# Altium PCB BaseBoard.PcbDoc (part 2 of 3)
Units mil, origin at the board's own origin, x right, y up, seen from the top; angles counter-clockwise.
Board outline 12520.21 x 6221 mil, 4 copper layers (Top Layer, GND, Power, Bottom Layer), stack 30.634 mil thick; 237 components, 165 nets, 882 pads, 366 vias.
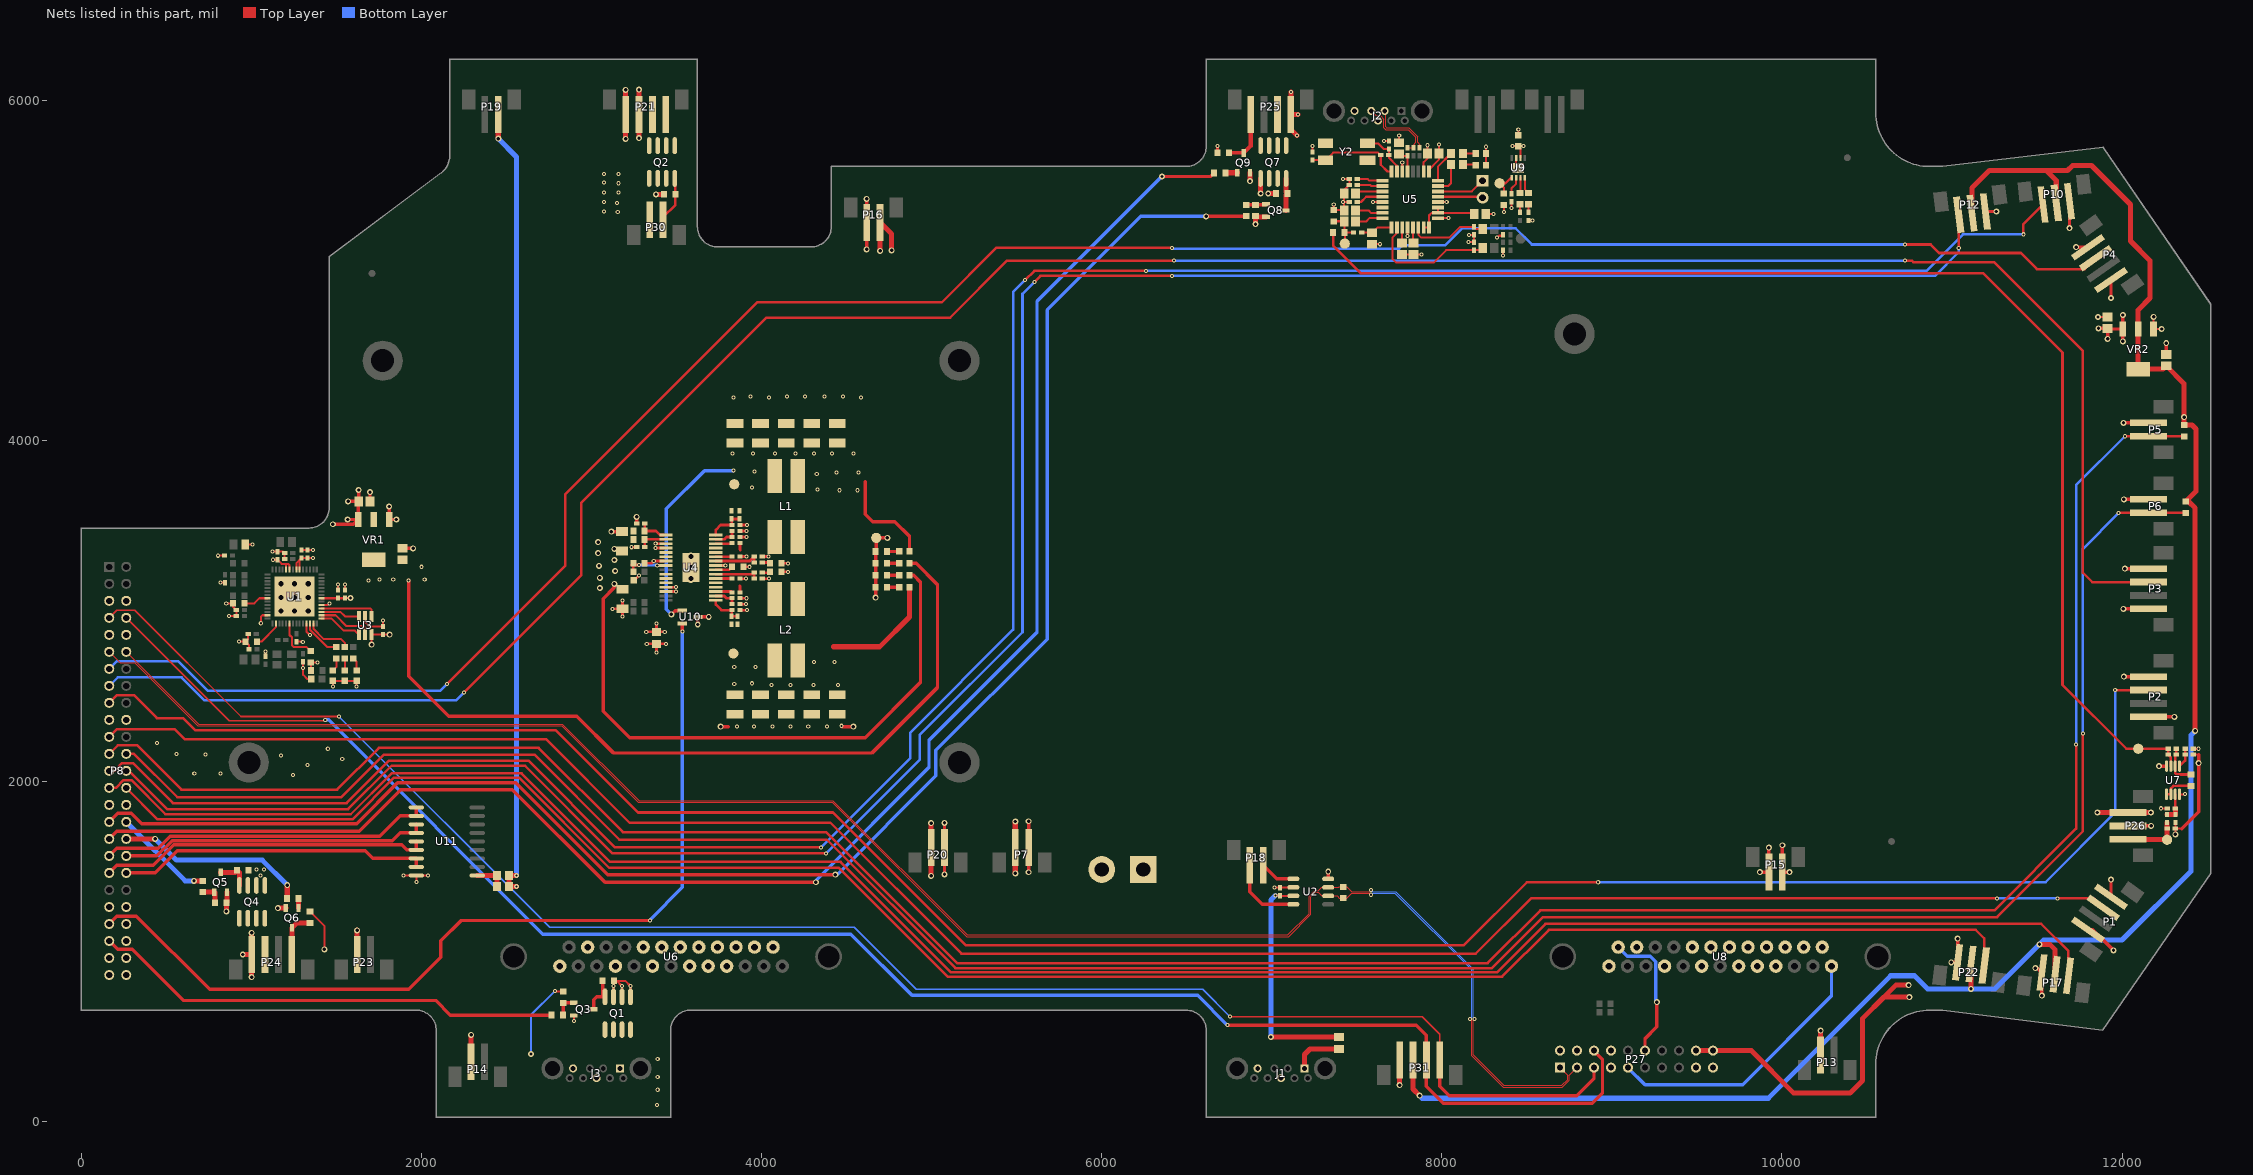
[diagram p4: the nets of this part, all layers, seen from the top]

## Part data (continued)
R18 R32: library part "RES 51.0K OHM 1/10W 1% 0402 SMD", "RES 51.0K OHM 1/10W 1% 0402 SMD", Manufacturer="Panasonic - ECG", Manufacturer Part Number=ERJ-2RKF5102X, Package=0402, Supplier 1 Part Number=P51.0KLCT-ND, Component Type=Standard, Mounting Type=smt, Part Number="RES 51.0K OHM 1/10W 1% 0402 SMD", Part URL-Supplier 1=http://search.digikey.com/scripts/DkSearch/dksus.dll?Detail&name=P51.0KLCT-ND, Price Break=1000, Supplier 1=Digikey, Unit Price-Supplier 1=.06, Unit Price in Quantity=.0067, Vendor/Distributor=Digikey
R20 R30: library part "RES 42.2K OHM 1/16W 1% 0402 SMD", "RES 42.2K OHM 1/16W 1% 0402 SMD", Manufacturer=Yageo, Manufacturer Part Number=RC0402FR-0742K2L, Package=0402, Supplier 1 Part Number=311-42.2KLRCT-ND, Component Type=Standard, Mounting Type=smt, Part Number="RES 42.2K OHM 1/16W 1% 0402 SMD", Price Break=1000, Supplier 1=Digikey, Unit Price-Supplier 1=.014, Unit Price in Quantity=.0027, Vendor/Distributor=Digikey
R21 R23: library part "RES 2.70K OHM 1/10W 1% 0603 SMD", "RES 2.70K OHM 1/10W 1% 0603 SMD", Manufacturer="Panasonic - ECG", Manufacturer Part Number=ERJ-3EKF2701V, Package=0603, Supplier 1 Part Number=P2.70KHCT-ND, Component Type=Standard, Mounting Type=smt, Part Number="RES 2.70K OHM 1/10W 1% 0603 SMD", Part URL-Supplier 1=http://search.digikey.com/scripts/DkSearch/dksus.dll?Detail&name=P2.70KHCT-ND, Price Break=1000, Supplier 1=Digikey, Unit Price-Supplier 1=.04, Unit Price in Quantity=.0042, Vendor/Distributor=Digikey
R25: library part "RES 43.0K OHM 1/10W 1% 0603 SMD", "RES 43.0K OHM 1/10W 1% 0603 SMD", Manufacturer="Panasonic - ECG", Manufacturer Part Number=ERJ-3EKF4302V, Package=0603, Supplier 1 Part Number=P43.0KHCT-ND, Component Type=Standard, Mounting Type=smt, Part Number="RES 43.0K OHM 1/10W 1% 0603 SMD", Part URL-Supplier 1=http://search.digikey.com/scripts/DkSearch/dksus.dll?Detail&name=P43.0KHCT-ND, Price Break=5000, Supplier 1=Digikey, Unit Price-Supplier 1=.04, Unit Price in Quantity=.002, Vendor/Distributor=Digikey
R26 R62: library part "RES 20K OHM 1/10W 1% 0603 SMD", "RES 20K OHM 1/10W 1% 0603 SMD", Manufacturer="Stackpole Electronics", Manufacturer Part Number=RMCF0603FT20K0, Package=0603, Supplier 1 Part Number=RMCF0603FT20K0CT-ND, Component Type=Standard, Mounting Type=smt, Part Number="RES 20K OHM 1/10W 1% 0603 SMD", Price Break=1000, Supplier 1=Digikey, Unit Price-Supplier 1=.04, Unit Price in Quantity=.0038, Vendor/Distributor=Digikey
R29: library part "RES 30K OHM 1/10W 1% 0603 SMD", "RES 30K OHM 1/10W 1% 0603 SMD", Manufacturer="Stackpole Electronics", Manufacturer Part Number=RMCF0603FT30K0, Package=0603, Supplier 1 Part Number=RMCF0603FT30K0CT-ND, Component Type=Standard, Mounting Type=smt, Part Number="RES 30K OHM 1/10W 1% 0603 SMD", Price Break=1000, Supplier 1=Digikey, Unit Price-Supplier 1=.04, Unit Price in Quantity=.0038, Vendor/Distributor=Digikey
R33 R65 R66: library part "RES 0.0 OHM 1/8W 0805 SMD", "RES 0.0 OHM 1/8W 0805 SMD", Manufacturer="Stackpole Electronics Inc", Manufacturer Part Number=RMCF0805ZT0R00, Package=0805, Supplier 1 Part Number=RMCF0805ZT0R00CT-ND, Component Type=Standard, Mounting Type=smt, Part Number="RES 0.0 OHM 1/8W 0805 SMD", Price Break=5000, Supplier 1=Digikey, Unit Price-Supplier 1=.03, Unit Price in Quantity=.0019, Vendor/Distributor=Digikey
R34: library part "RES TF 5.76K OHM 1% 0.1W 0603", "RES TF 5.76K OHM 1% 0.1W 0603", Manufacturer="Stackpole Electronics", Manufacturer Part Number=RMCF0603FT5K76, Package=0603, Supplier 1 Part Number=RMCF0603FT5K76CT-ND, Component Type=Standard, Mounting Type=smt, Part Number="RES TF 5.76K OHM 1% 0.1W 0603", Price Break=1000, Supplier 1=Digikey, Unit Price-Supplier 1=.04, Unit Price in Quantity=.0038, Vendor/Distributor=Digikey
R35 R48 R52: library part "RES 2.20K OHM 1/16W 1% 0402 SMD", "RES 2.20K OHM 1/16W 1% 0402 SMD", Manufacturer=Yageo, Manufacturer Part Number=RC0402FR-072K2L, Package=0402, Supplier 1 Part Number=311-2.20KLRCT-ND, Component Type=Standard, Mounting Type=smt, Part Number="RES 2.20K OHM 1/16W 1% 0402 SMD", Price Break=1000, Supplier 1=Digikey, Unit Price-Supplier 1=.1, Unit Price in Quantity=.0027, Vendor/Distributor=Digikey
R36 R37: library part "RES 698 OHM 1/8W 1% 0805 SMD", "RES 698 OHM 1/8W 1% 0805 SMD", Manufacturer="Rohm Semiconductor", Manufacturer Part Number=MCR10EZPF6980, Package=0805, Supplier 1 Part Number=RHM698CRCT-ND, Component Type=Non-Standard, Mounting Type=smt, Part Number="RES 698 OHM 1/8W 1% 0805 SMD", Part URL-Supplier 1=http://search.digikey.com/scripts/DkSearch/dksus.dll?Detail&name=RHM698CRCT-ND, Price Break=5000, Supplier 1=Digikey, Unit Price-Supplier 1=.038, Unit Price in Quantity=.006, Vendor/Distributor=Digikey
R38 R39: library part "RES 22 OHM 1/10W 1% 0402 SMD", "RES 22 OHM 1/10W 1% 0402 SMD", Manufacturer=Panasonic, Manufacturer Part Number=ERJ-2RKF22R0X, Package=0402, Supplier 1 Part Number=P22.0LCT-ND, Component Type=Standard, Mounting Type=smt, Part Number="RES 22 OHM 1/10W 1% 0402 SMD", Price Break=1000, Supplier 1=Digikey, Unit Price-Supplier 1=.1, Unit Price in Quantity=.0054, Vendor/Distributor=Digikey
R40: library part "RES 1.5K OHM 1/16W 1% 0402 SMD", "RES 1.5K OHM 1/16W 1% 0402 SMD", Manufacturer="Stackpole Electronics", Manufacturer Part Number=RMCF0402FT1K50, Package=0402, Supplier 1 Part Number=RMCF0402FT1K50CT-ND, Component Type=Standard, Mounting Type=smt, Part Number="RES 1.5K OHM 1/16W 1% 0402 SMD", Part URL-Supplier 1=http://search.digikey.com/scripts/DkSearch/dksus.dll?Detail&name=RMCF0402FT1K50CT-ND, Price Break=1000, Supplier 1=Digikey, Unit Price-Supplier 1=.04, Unit Price in Quantity=.0038, Vendor/Distributor=Digikey
R41 R47: library part "RES 0.0 OHM 1/16W 0402 SMD", "RES 0.0 OHM 1/16W 0402 SMD", Manufacturer="Stackpole Electronics", Manufacturer Part Number=RMCF0402ZT0R00, Package=0402, Supplier 1 Part Number=RMCF0402ZT0R00CT-ND, Component Type=Standard, Mounting Type=smt, Part Number="RES 0.0 OHM 1/16W 0402 SMD", Part URL-Supplier 1=http://search.digikey.com/scripts/DkSearch/dksus.dll?Detail&name=RMCF0402ZT0R00CT-ND, Price Break=1000, Supplier 1=Digikey, Unit Price-Supplier 1=.02, Unit Price in Quantity=.0026, Vendor/Distributor=Digikey
R43 R44 R45 R46: library part "RES 3.16K OHM 1/10W 1% 0402 SMD", "RES 3.16K OHM 1/10W 1% 0402 SMD", Manufacturer=Panasonic, Manufacturer Part Number=ERJ-2RKF3161X, Package=0402, Supplier 1 Part Number=P3.16KLCT-ND, Component Type=Standard, Mounting Type=smt, Part Number="RES 3.16K OHM 1/10W 1% 0402 SMD", Price Break=1000, Supplier 1=Digikey, Unit Price-Supplier 1=.06, Unit Price in Quantity=.0067, Vendor/Distributor=Digikey
R49: library part "RES 49.9K OHM 1/10W 1% 0603 SMD", "RES 49.9K OHM 1/10W 1% 0603 SMD", Manufacturer=Yageo, Manufacturer Part Number=RC0603FR-0749K9L, Package=0603, Supplier 1 Part Number=311-49.9KHRCT-ND, Component Type=Standard, Mounting Type=smt, Part Number="RES 49.9K OHM 1/10W 1% 0603 SMD", Price Break=1000, Supplier 1=Digikey, Unit Price-Supplier 1=.014, Unit Price in Quantity=.0027, Vendor/Distributor=Digikey
R51 R53 R58 R60: library part "RES 10K OHM 1/16W 1% 0402 SMD", "RES 10K OHM 1/16W 1% 0402 SMD", Manufacturer="Stackpole Electronics", Manufacturer Part Number=RMCF0402FT10K0, Package=0402, Supplier 1 Part Number=RMCF0402FT10K0CT-ND, Component Type=Standard, Mounting Type=smt, Part Number="RES 10K OHM 1/16W 1% 0402 SMD", Part URL-Supplier 1=http://search.digikey.com/scripts/DkSearch/dksus.dll?Detail&name=RMCF0402FT10K0CT-ND, Price Break=1000, Supplier 1=Digikey, Unit Price-Supplier 1=0.04, Unit Price in Quantity=0.0038, Vendor/Distributor=Digikey
R57: library part "RES 100K OHM 1/16W 1% 0402 SMD", "RES 100K OHM 1/16W 1% 0402 SMD", Manufacturer="Stackpole Electronics", Manufacturer Part Number=RMCF0402FT100K, Package=0402, Supplier 1 Part Number=RMCF0402FT100KCT-ND, Component Type=Standard, Mounting Type=smt, Part Number="RES 100K OHM 1/16W 1% 0402 SMD", Part URL-Supplier 1=http://search.digikey.com/scripts/DkSearch/dksus.dll?Detail&name=RMCF0402FT100KCT-ND, Price Break=1000, Supplier 1=Digikey, Unit Price-Supplier 1=0.04, Unit Price in Quantity=0.0038, Vendor/Distributor=Digikey
U1: "Imported", Manufacturer_Part_Number=LAN9500AI-ABZJ-TR, Built_By=EMA_UL_Team, C="Copyright (C) 2015 Accelerated Designs. All rights reserved", RefDes=RefDes, Type=DEV, Vendor=Microchip
U2: library part CAN/TJA1050T/CM_[C6952], "CAN", Package=SOIC-8_150mil, SuppliersPartNumber=C6952, ComponentLink1Description=供应商链接, ComponentLink1URL=http://www.szlcsc.com/product/details_7424.html, Supplier=LC
U3: "Imported", Built_By=EMA_UL_Team, C="Copyright (C) 2015 Accelerated Designs. All rights reserved", Manufacturer_Part_Number=93AA56AT-I/OT, RefDes=RefDes, Type=DEV, Vendor=Microchip
U4: library part TPS65279DAP, "IC REG BUCK ADJ 5A DL 32HTSSOP", Manufacturer="Texas Instruments", Package=32-HTSSOP, Supplier 1 Part Number=296-40890-1-ND, Component Type=Standard, Manufacturer Part Number=TPS65279DAPR, Mounting Type=smt, Part Number=TPS65279DAP, Pin Count=33, Price Break=1000, Supplier 1=Digikey, Unit Price-Supplier 1=4.56, Unit Price in Quantity=2.411, Vendor/Distributor=Digikey
U5: "IC STEREO AUD CODEC W/USB 32TQFP", Manufacturer="Texas Instruments", Manufacturer Part Number=PCM2912APJTR, Package=32-TQFP, Supplier 1 Part Number=296-39145-6-ND, Component Type=Standard, Datasheet=http://www.ti.com/lit/gpn/PCM2912A, Mounting Type=SMT, Part Number=PCM2912A, Pin Count=32, Price Break=1000, Supplier 1=Digikey, Unit Price-Supplier 1=11.52, Unit Price in Quantity=6.345, Vendor/Distributor=Digikey
U6 U8: Manufacturer="MMT Machrone", Manufacturer Part Number=WDB951-PM25G, Package=header, Component Type=Standard, Mounting Type=thru-hole, Part Number=DSUB25_M_WDB951-PM25G, Pin Count=25, Supplier 1="MMT Machrone", Supplier 1 Part Number=WDB951-PM25G
U7: "IC OPAMP 1.8V 1MHZ DUAL 8-MSOP", Manufacturer=Microchip, Package=8-MSOP, Supplier 1 Part Number=MCP6002T-I/MSCT-ND, Supplier Part Number 1=MCP6002T-I/MSTR-ND, ComponentLink1Description=Datasheet, ComponentLink1URL=http://ww1.microchip.com/downloads/en/DeviceDoc/21733j.pdf, ComponentLink2Description="Packaging Specification", ComponentLink2URL=http://www.microchip.com/stellent/groups/techpub_sg/documents/packagingspec/en012702.pdf, ComponentLink3Description="Microchip.com Home", ComponentLink3URL=http://www.microchip.com/, Component Type=Standard, DatasheetVersion="revJ, Nov-2009", FirstPublished=29-Jan-2009, LatestRevisionDate=02-Dec-2009, LatestRevisionNote="Updated to datasheet revision J, Nov-2009", Manufacturer Part Number=MCP6002T-I/MS, Mounting Type=smt, PackageDescription="8-Lead Plastic Micro Small Outline Package (MS) [MSOP]", PackageReference=MSOP-MS8, PackageVersion="revBB, Aug-2009", Part Number=MCP6002T-I/MS, Pin Count=8, Price Break=100, Publisher="Altium Limited", Supplier 1=Digikey, Supplier 4=Newark, Supplier Part Number 2=MCP6002T-I/MSCT-ND, Supplier Part Number 3=MCP6002T-I/MSDKR-ND, Supplier Part Number 4=72C4273, Unit Price-Supplier 1=.41, Unit Price in Quantity=0.25, Vendor/Distributor=Digikey
U9: "IC AMP AUDIO PWR 3.1W MONO 8SON", Manufacturer="Texas Instruments", Package="8-VDFN Exposed Pad", Supplier 1 Part Number=296-17101-1-ND, Component Type=Standard, Manufacturer Part Number=TPA6211A1DRBR, Mounting Type=smt, Part Number=TPA6211A1DRBR, Pin Count=9, Price Break=1000, Supplier 1=Digikey, Unit Price-Supplier 1=1.03, Unit Price in Quantity=.4697, Vendor/Distributor=Digikey
U10: library part "Temperature Sensor Analog, Local -40°C ~ 125°C 10mV/°C SOT-23-3", "Temperature Sensor Analog, Local -40°C ~ 125°C 10mV/°C SOT-23-3", Manufacturer="Texas Instruments", Package=SOT-23-3, Supplier 1 Part Number=LM50CIM3/NOPBCT-ND, Component Type=Standard, Datasheet=http://www.ti.com/lit/ds/symlink/lm50.pdf, Manufacturer Part Number=LM50CIM3/NOPB, Mounting Type=smt, Part Number="Temperature Sensor Analog, Local -40°C ~ 125°C 10mV/°C SOT-23-3", Pin Count=3, Price Break=500, Supplier 1=Digikey, Unit Price-Supplier 1=1.29, Unit Price in Quantity=.5739, Vendor/Distributor=Digikey
U11: library part ULN2803ADW_[C9683], "大电流驱动", Package=SOIC-18_300mil, SuppliersPartNumber=C9683, ComponentLink1Description=供应商链接, ComponentLink1URL=http://www.szlcsc.com/product/details_10213.html, Supplier=LC
VR1 VR2: "IC REG LINEAR 3.3V 1A SOT223", Manufacturer="Diodes Incorporated", Package=SOT-23, Supplier 1 Part Number=AZ1117EH-3.3TRG1DICT-ND, Component Type=Standard, Datasheet=https://www.diodes.com/assets/Datasheets/AZ1117E.pdf, Manufacturer Part Number=AZ1117EH-3.3TRG1, Mounting Type=smt, Part Number=AZ1117EH-3.3TRG1, Pin Count=4, Price Break=1000, Supplier 1=Digikey, Unit Price-Supplier 1=0.44, Unit Price in Quantity=.1002, Vendor/Distributor=Digikey
Y1: library part "SMD-3225_4P  25MHZ 12PF 10PPM", "贴片晶振", Package=SMD-3225_4P, SuppliersPartNumber=C9006, ComponentLink1Description=供应商链接, ComponentLink1URL=http://www.szlcsc.com/product/details_9526.html, Supplier=LC
Y2: "CRYSTAL 6.0000MHZ 18PF SMD", Manufacturer="Abracon LLC", Package=SMD-7050_4P, Supplier 1 Part Number=535-10156-1-ND, Component Type=Standard, Manufacturer Part Number=ABMM-6.000MHZ-B2-T, Mounting Type=smt, Part Number=ABMM-6.000MHZ-B2-T, Price Break=1000, Supplier 1=Digikey, Unit Price-Supplier 1=.79, Unit Price in Quantity=.41, Vendor/Distributor=Digikey
F1 F2 F3 F4 F5 F6: Component Type="Standard (No BOM)", Part Number="Fiducial, .040\""
TP1 TP2 TP3 TP4 TP5 TP6 TP7 TP8: Component Type="Standard (No BOM)", Part Number="Test Point, 60mil"

## Free pads (board coordinates)
  round 236.22 hole 135: 0(5163.78,2109.53) 1(1772.83,4471.73) 2(5163.78,4471.73) 3(985.43,2109.53) 4(8780.71,4629.21)

## Via types
v1: diameter 24, hole 12, Top Layer to Bottom Layer, tented both sides, 231 vias
v2: diameter 35, hole 20, Top Layer to Bottom Layer, tented both sides, 120 vias
v3: diameter 50, hole 30, Top Layer to Bottom Layer, tented both sides, 12 vias
v4: diameter 30, hole 12, Top Layer to Bottom Layer, tented both sides, 2 vias
v5: diameter 20, hole 12, Top Layer to Bottom Layer, tented both sides, 1 vias

## Nets (pads, with @x,y where several pads share a name; then routed paths per layer and width w, separated by ;. In a path a pad name is that pad's centre, name@x,y a point inside that pad or via, vN(x,y) a via of type N, cw(c..) or ccw(c..) an arc to the next point about the centre after c; other vN are vias at no path point)
3V3: C7.2 C8.2 C9.2 C10.2 C11.2 C18.2 C32.2 D1.A D2.A D3.A D6.A FB1.1 R5.2 R9.1 U1.25 U1.35 U1.48 U1.49 U1.51 U1.52 U3.6 VR1.2 VR1.4 | length 5947.6
  Top Layer w12: FB1.1@965.04,3390 v1(1007,3390) ; v1(1127.38,3301.38) C11.2@1155,3301.38 1179.38,3277 1218,3277 1225,3270 U1.51@1225,3243.5 ; U1.52@1205,3243.5 1205,3274 ; U1.49@1265,3243.5 1265,3281.38 1285,3301.38 U1.48@1285,3243.5 ; C9.2@1295,3311.38 C10.2@1330,3311.38 v1(1363.38,3311.38) ; U1.25@1325,2926.5 1325,2879 v1(1345,2859) ; R5.2@1350,2651.54 R9.1@1350,2696.54 v1(1388.46,2696.54) ; U1.35@1413.5,3075 C8.2@1548.62,3075 ; v1(1480,2555) D1.A@1480,2589.68 D2.A@1550,2589.68 D3.A@1620,2589.68 v1(1620,2555) ; C8.2@1550,3076.38 v2(1583.62,3076.38) ; v2(1707.4,2802.6) U3.6@1707.4,2862 1774.38,2862 C18.2@1775,2861.38 v2(1813.62,2861.38)
  Top Layer w20: v1(1925,3180) 1925,2615 2160,2380 2915,2380 3130,2165 4650,2165 5035,2550 5035,3155 4910,3280 D6.A@4870.32,3280
  other v1: 1690,3180 1755,3185 1835,3185 2020,3185 2000,3260
3V3_SENSOR: C72.2 P10.2 P12.2 P17.2 P22.2 P31.2 R10.2 R11.2 VR2.2 VR2.4 | length 11580.5
  Top Layer w30: P31.2@7831.26,360 7831.26,188.74 v2(7870,150) ; v2(11111.85,778.15) P22.2@11111.85,924.6 ; P12.2@11118.15,5339.6 11118.15,5488.15 11220,5590 11555,5590 ; v2(11515,1040) 11575,1040 11606.85,1008.15 P17.2@11606.85,864.6 ; P10.2@11613.15,5399.6 11613.15,5531.85 11555,5590 ; v2(12430,2295) 12430,3605 12391.54,3643.46 R11.2@12375,3643.46 12435,3703.46 12435,4070 12411.54,4093.46 R10.2@12365,4093.46 v2(12365,4140) 12365,4336.54 C72.2@12260,4441.54 12240.35,4421.89 VR2.4@12095,4421.89 VR2.2@12095,4658.11 12095,4770 12165,4840 12165,5060 12050,5175 12050,5390 11820,5620 11710,5620 11680,5590 11555,5590
  Bottom Layer w30: v2(7870,150) 7885,135 9920,135 10640,855 10780,855 10856.85,778.15 v2(11111.85,778.15) 11253.15,778.15 v2(11515,1040) 11540,1065 12000,1065 12405,1470 12405,2270 v2(12430,2295)
5V: C19.2 C24.1 C25.2 C26.2 C27.2 C28.2 C29.2 C30.2 C49.1 C66.2 C71.2 D7.A D8.A D9.A FB4.2 L1.3 L1.4 P1.1 P2.1 P3.1 P4.1 P8.44 P8.46 P8.47 P8.48 P8.49 P8.50 P15.1 P27.18 P27.20 Q1.1 Q1.2 Q1.3 R20.1 R51.1 R52.2 R58.1 R59.2 R61.2 R62.2 R70.2 R75.2 TP1.0 U2.3 U5.2 U7.8 U9.6 U10.1 VR1.3 VR2.3 | length 9274
  Top Layer w12: R70.2@1345,1233.46 1430,1148.46 v2(1430,1010) ; v1(2785,764.93) 2782.54,762.46 R62.2@2835,762.46 ; Q1.3@3130,731.46 v1(3130,795) 3133.46,798.46 R61.2@3133.46,825 R61.2@3150,825 ; Q1.2@3180,731.46 v1(3180,795) R61.2@3150,825 ; Q1.1@3230,731.46 v1(3230,795) 3200,825 R61.2@3150,825 ; v1(7021.38,1326.38) C19.2@7050,1326.38 ; C19.2@7051.38,1325 U2.3@7127.64,1325 ; U5.2@7893.74,5584 7893.74,5638.74 7916.54,5661.54 C49.1@7916.54,5690 v1(7916.54,5738.46) ; D9.A@8260.32,5620 D8.A@8260.32,5690 v1(8260.32,5729.68) ; v1(8365,5345) R59.2@8365,5386.54 ; v1(8416.5,5733.5) C66.2@8450,5733.5 ; U9.6@8462.8,5668.07 8462.8,5720.71 C66.2@8450,5733.5 ; v1(8481.5,5733.5) C66.2@8450,5733.5 ; v2(12313.62,1686.38) R52.2@12313.62,1720 12350,1720 ; R52.2@12315,1721.38 R51.1@12315,1756.38 ; R58.1@12418.62,2155 12450,2155
  Top Layer w20: v2(1480,3510) 1601.34,3510 VR1.3@1629.45,3538.11 ; v2(1566.89,3538.11) VR1.3@1629.45,3538.11 ; v2(1570,3645) C30.2@1631.54,3645 v2(1631.54,3711.54) ; C30.2@1629.45,3642.91 VR1.3@1629.45,3538.11 ; v2(3470,2980) 3492.5,3002.5 U10.1@3534.5,3002.5 ; 4610,3760 4610,3570 4655,3525 4785,3525 4870.32,3439.68 D7.A@4870.32,3350 ; R75.2@6681.54,5695 v1(6681.54,5733.46) ; v2(10002.48,1622.52) P15.1@10002.48,1465 v2(10045,1465) ; P1.1@11799.67,1126 11829,1126 v2(11950,1005) ; v2(11861.54,4661.54) C71.2@11915,4661.54 v2(11915,4600) ; C71.2@11918.43,4658.11 VR2.3@12004.45,4658.11 ; v2(11935.33,4840.33) P4.1@11935.33,4946 ; v2(12004.45,4585.55) VR2.3@12004.45,4658.11 ; v2(12004.45,4740.55) VR2.3@12004.45,4658.11 ; v2(12007.52,3012.52) P3.1@12155,3012.52 ; P2.1@12155,2377.52 v2(12307.52,2377.52) ; v2(12217.68,2087.68) U7.8@12261.61,2087.68 ; 12350,1720 12450,1820 v2(12450,2105) 12450,2155
  Top Layer w30: v2(6995,495) v2(6995,495) FB4.2@7395,495.04 ; P27.18@9495,415 P27.20@9595,415 9820,415 10070,165 10400,165 10475,240 10475,605 ; v2(10745,800) 10670,800 10475,605 ; v2(10750,730) 10600,730 10475,605
  Bottom Layer w12: v2(2645,395) 2645,624.93 v1(2785,764.93)
  Bottom Layer w20: v2(3470,2980) 3440,3010 3440,3600 3665,3825 v1(3835,3825) ; v2@11935,4840 v2(11935.33,4840.33)
  Bottom Layer w30: v2(6995,495) 6995,1300 v1(7021.38,1326.38) ; P27.18@9495,415 P27.20@9595,415
  other v1: 3385,95 3390,185 3390,260 3390,365 4460,3710 4565,3710 4330,3715 3945,3725 4325,3805 4440,3815 4570,3815 3960,3820 3830,3925 3950,3925 4080,3925 4200,3925 4310,3925 4415,3925 4540,3925
12V: C42.2 C43.2 C44.2 C45.2 C46.2 C47.2 D4.A L2.3 L2.4 P7.1 P13.1 P14.1 P16.1 P19.1 P20.1 P23.1 P26.3 Q4.1 Q4.2 Q4.3 Q7.1 Q7.2 Q7.3 R30.2 R65.2 R66.2 R67.2 R72.2 TP2.0 | length 7234.4
  Top Layer w30: P23.1@1622.52,980 v2(1622.52,1122.52) ; P14.1@2292.52,350 v2(2292.52,507.52) ; v2(2452.48,5777.48) P19.1@2452.48,5920 ; v4(2560,1380) R65.2@2515.43,1380 R66.2@2515.43,1445 v4(2560,1445) ; 4425,2790 4695,2790 4870.32,2965.32 D4.A@4870.32,3140 ; v2(4697.48,5117.48) P16.1@4697.48,5285 4765,5217.48 v2(4765,5120) ; v2(4997.52,1442.52) P20.1@4997.52,1610 v2(4997.52,1752.52) ; v2(5492.52,1457.48) P7.1@5492.52,1610 v2(5492.52,1762.48) ; v2(6935,5455) Q7.1@6935,5543.54 ; v2(6980,5455) R72.2@7026.54,5455 ; P13.1@10227.52,390 v2(10227.52,532.48) ; v2(11855,1815) P26.3@12035,1815 v2(12170,1815)
  Bottom Layer w30: v2(2452.48,5777.48) 2560,5669.96 v4(2560,1445)
  other v1: 1055,1445 1030,1480 1075,1480 4060,2565 4170,2565 4305,2565 4450,2565 3840,2570 3945,2575 3840,2670 3965,2670 4310,2700 4430,2700
16V: C34.2 C40.2 D5.A P9.1 P27.2 P27.4 P30.1 Q2.1 Q2.2 Q2.3 R17.1 R19.1 U4.5 U4.6 U4.10 U4.11 U4.12 U6.19 U6.20 U6.21 U6.22 U6.23 U6.24 U6.25 U8.19 U8.20 U8.21 U8.22 U8.23 U8.24 U8.25 | length 3512
  Top Layer w20: v2(3135,3160) 3135,3138 3070,3073 3070,2410 3225,2255 4610,2255 4935,2580 4935,3170 4895,3210 D5.A@4870.32,3210
  other v1: 3155,5345 3075,5350 3150,5400 3075,5405 3075,5460 3160,5460 3160,5515 3075,5520 3075,5570 3160,5570
  other v2: 3050,3135 3050,3195 3140,3235 3045,3265 3135,3300 3040,3340 3135,3365 3040,3405